# Altium PCB PCB_Amplifier.PcbDoc (part 1 of 4)
Units mm, origin at the board's own origin, x right, y up, seen from the top; angles counter-clockwise.
Board outline 86.5 x 99 mm, 4 copper layers (Top Layer, GND, VDD, Bottom Layer); 211 components, 150 nets, 661 pads, 341 vias.
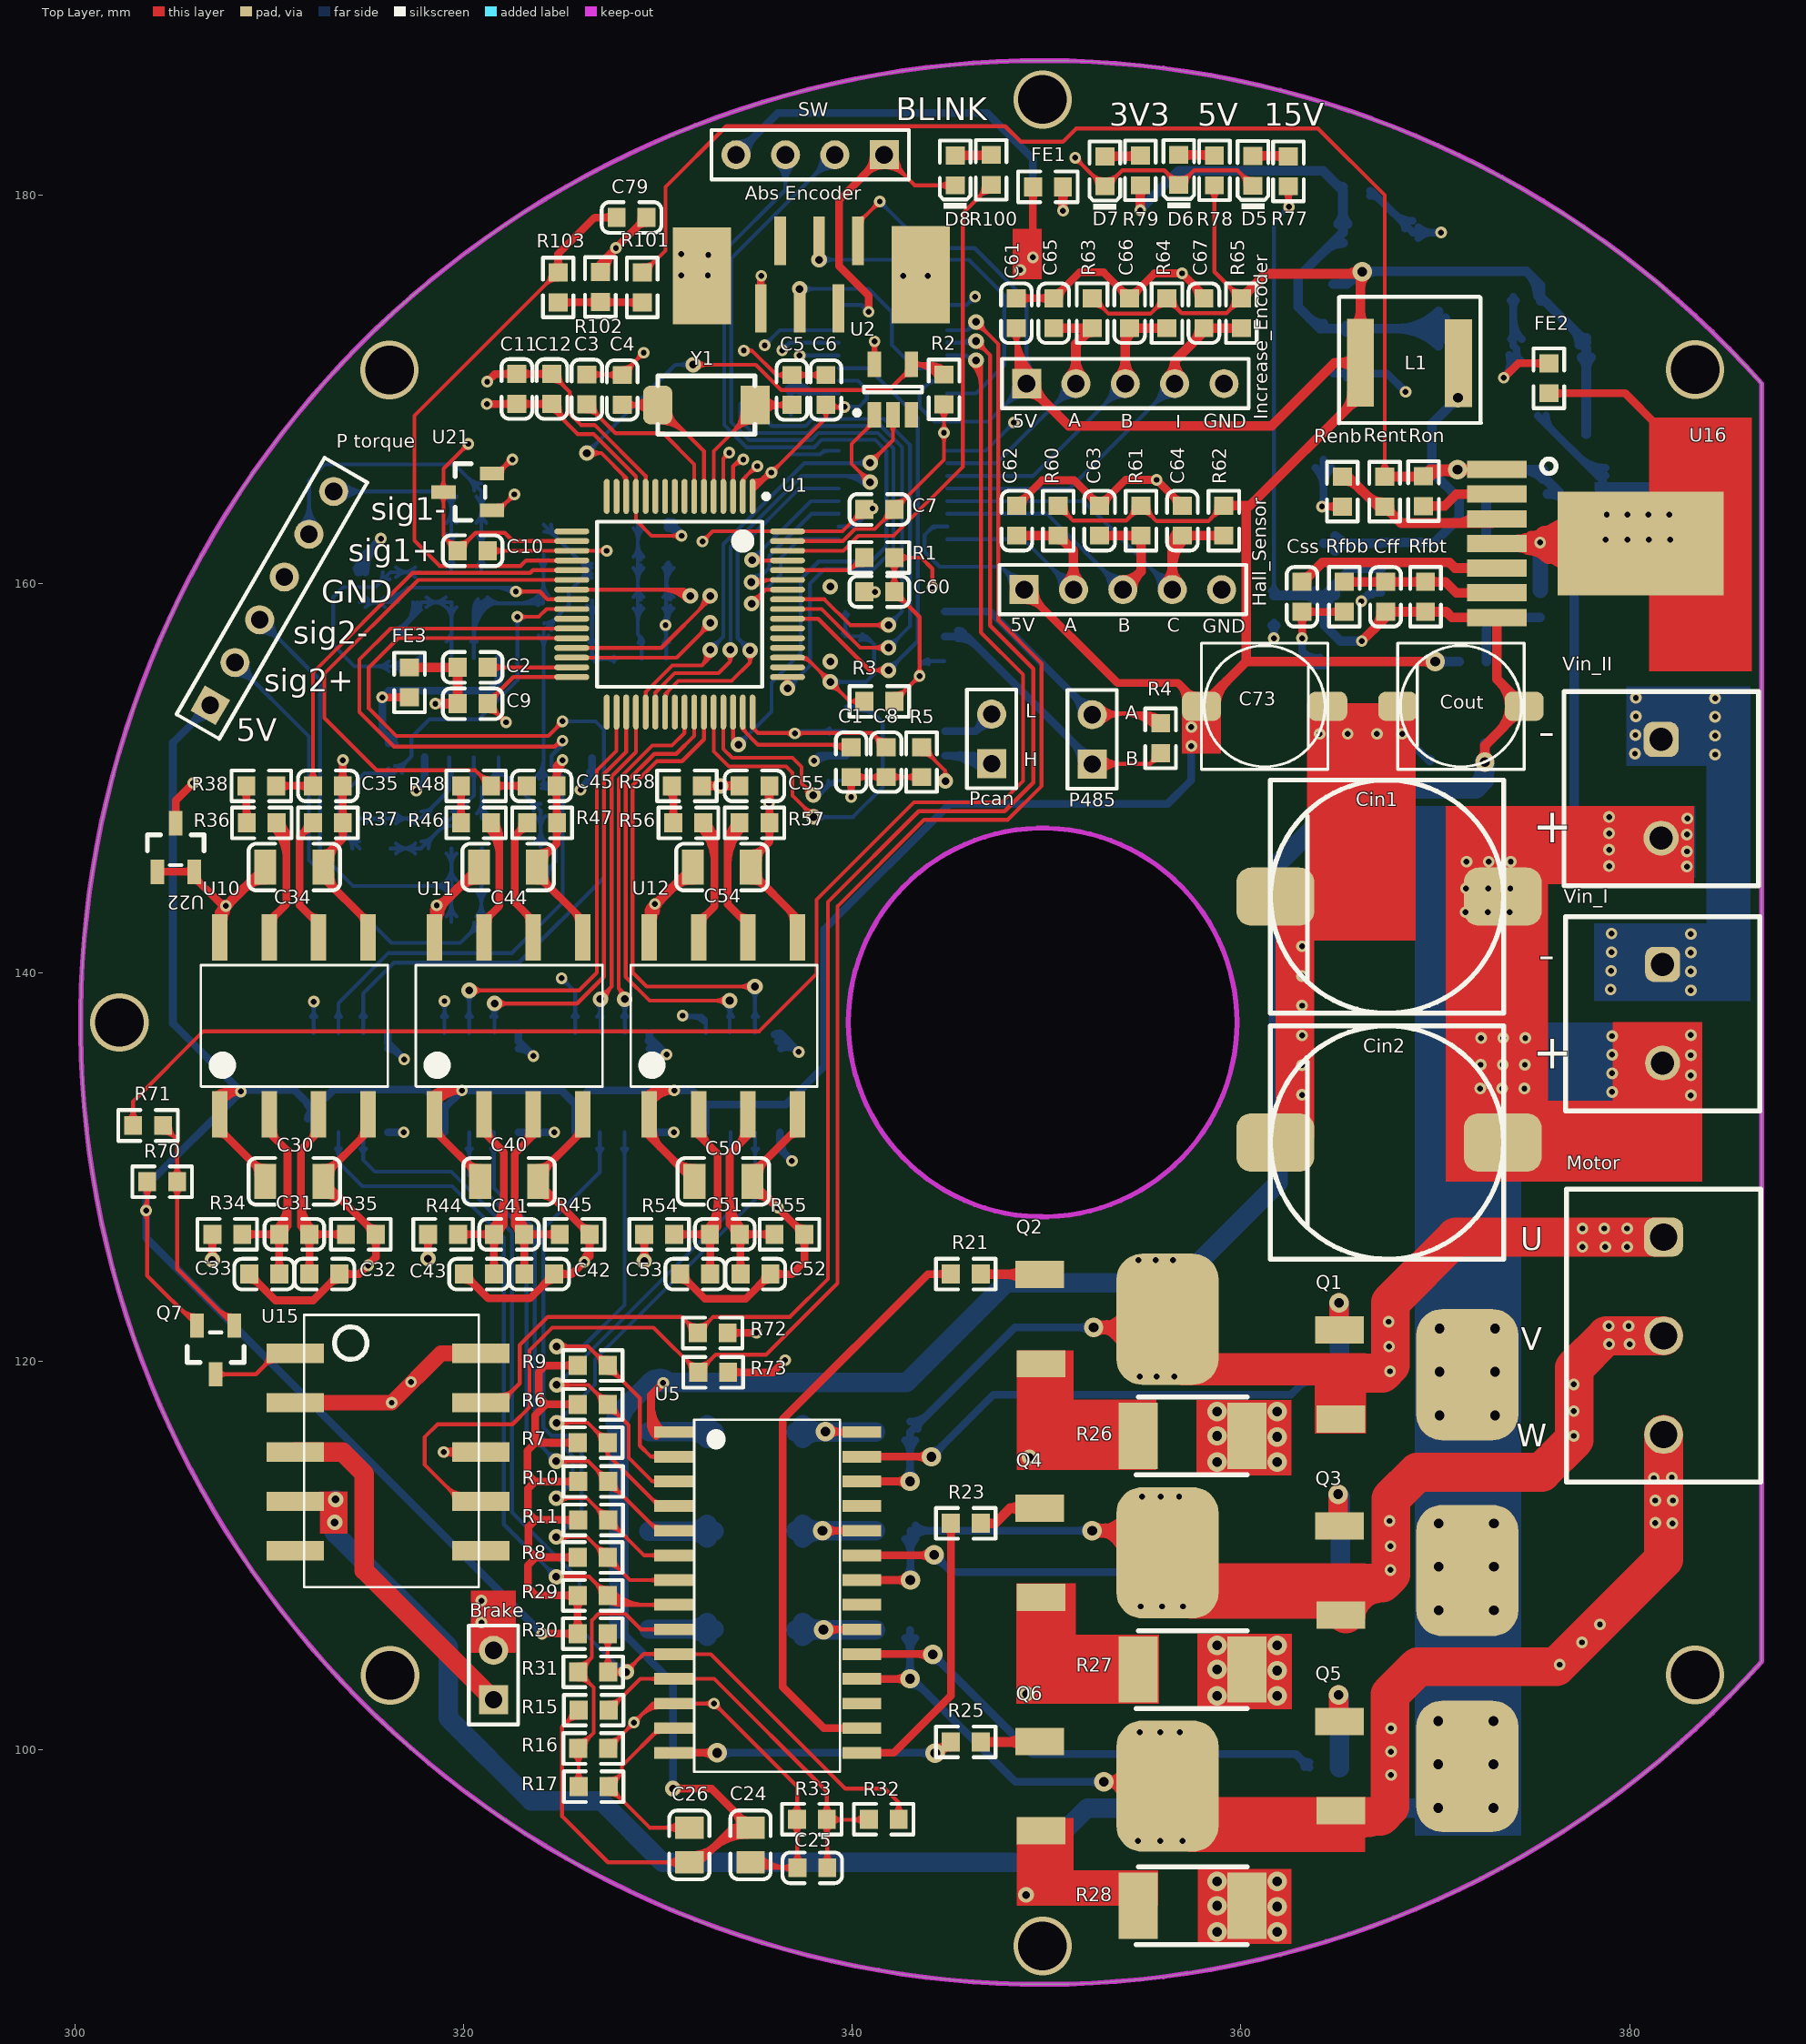
[diagram p0: Top Layer view]
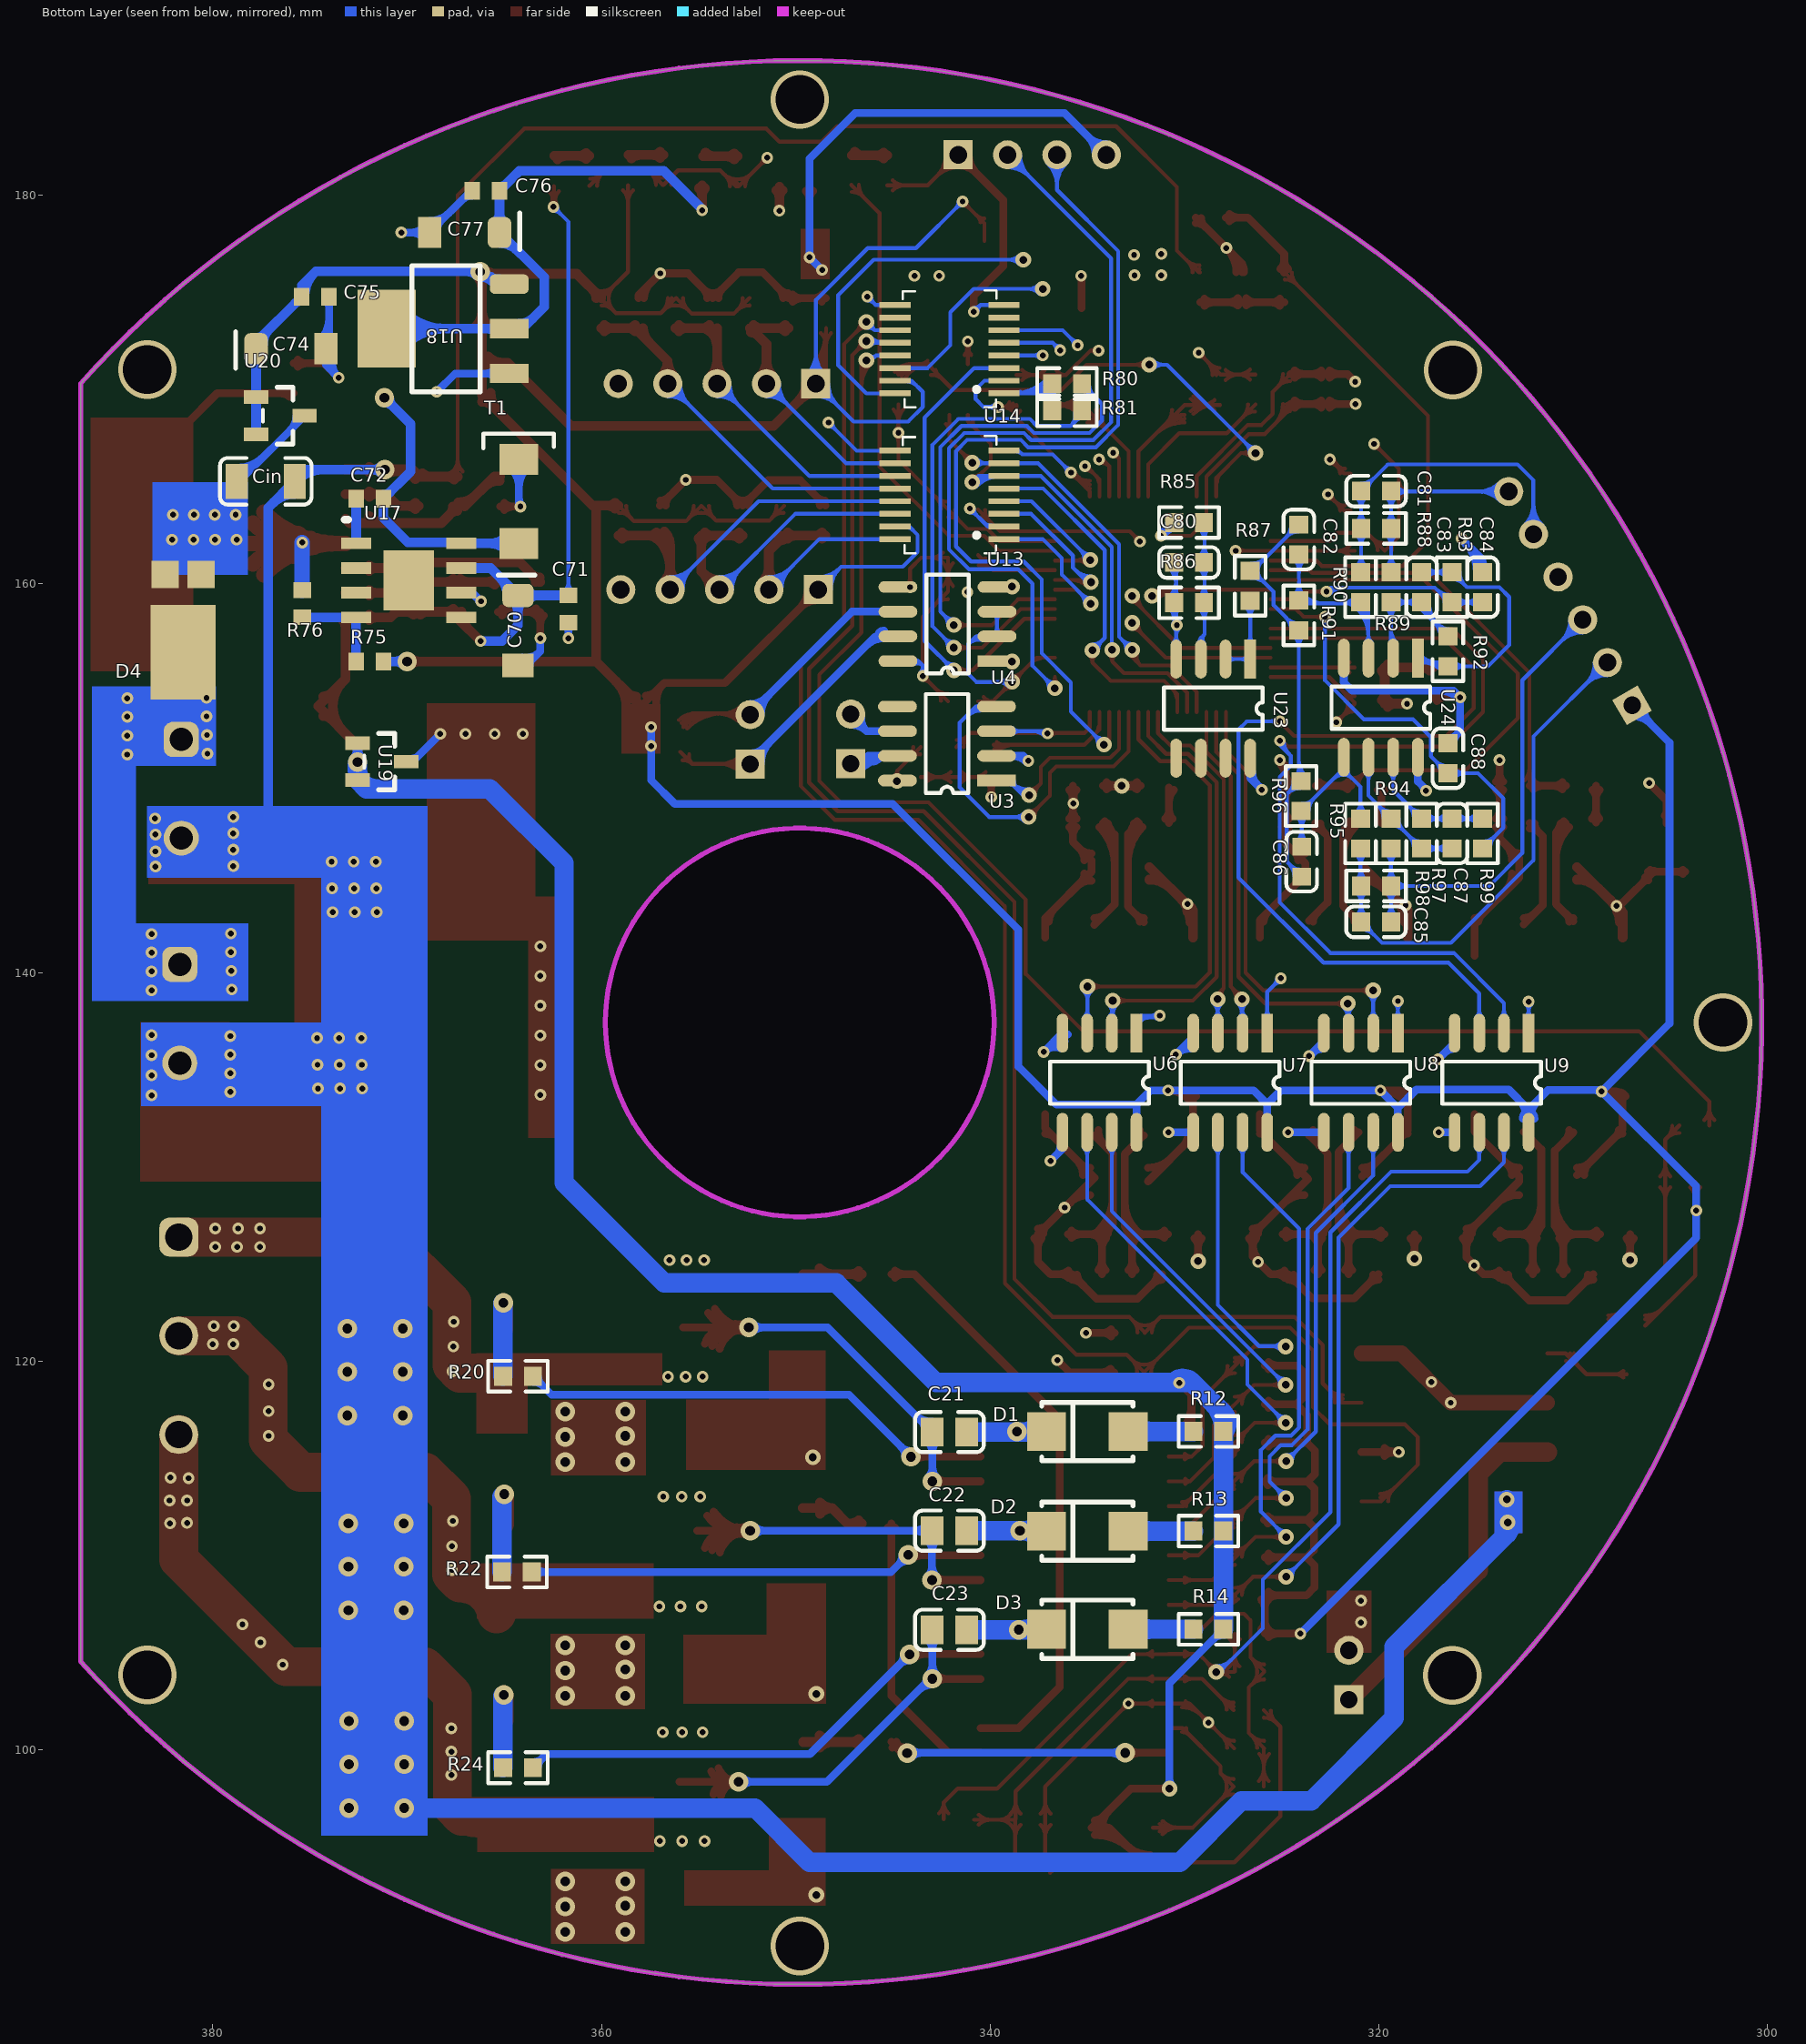
[diagram p1: Bottom Layer view, seen from below]
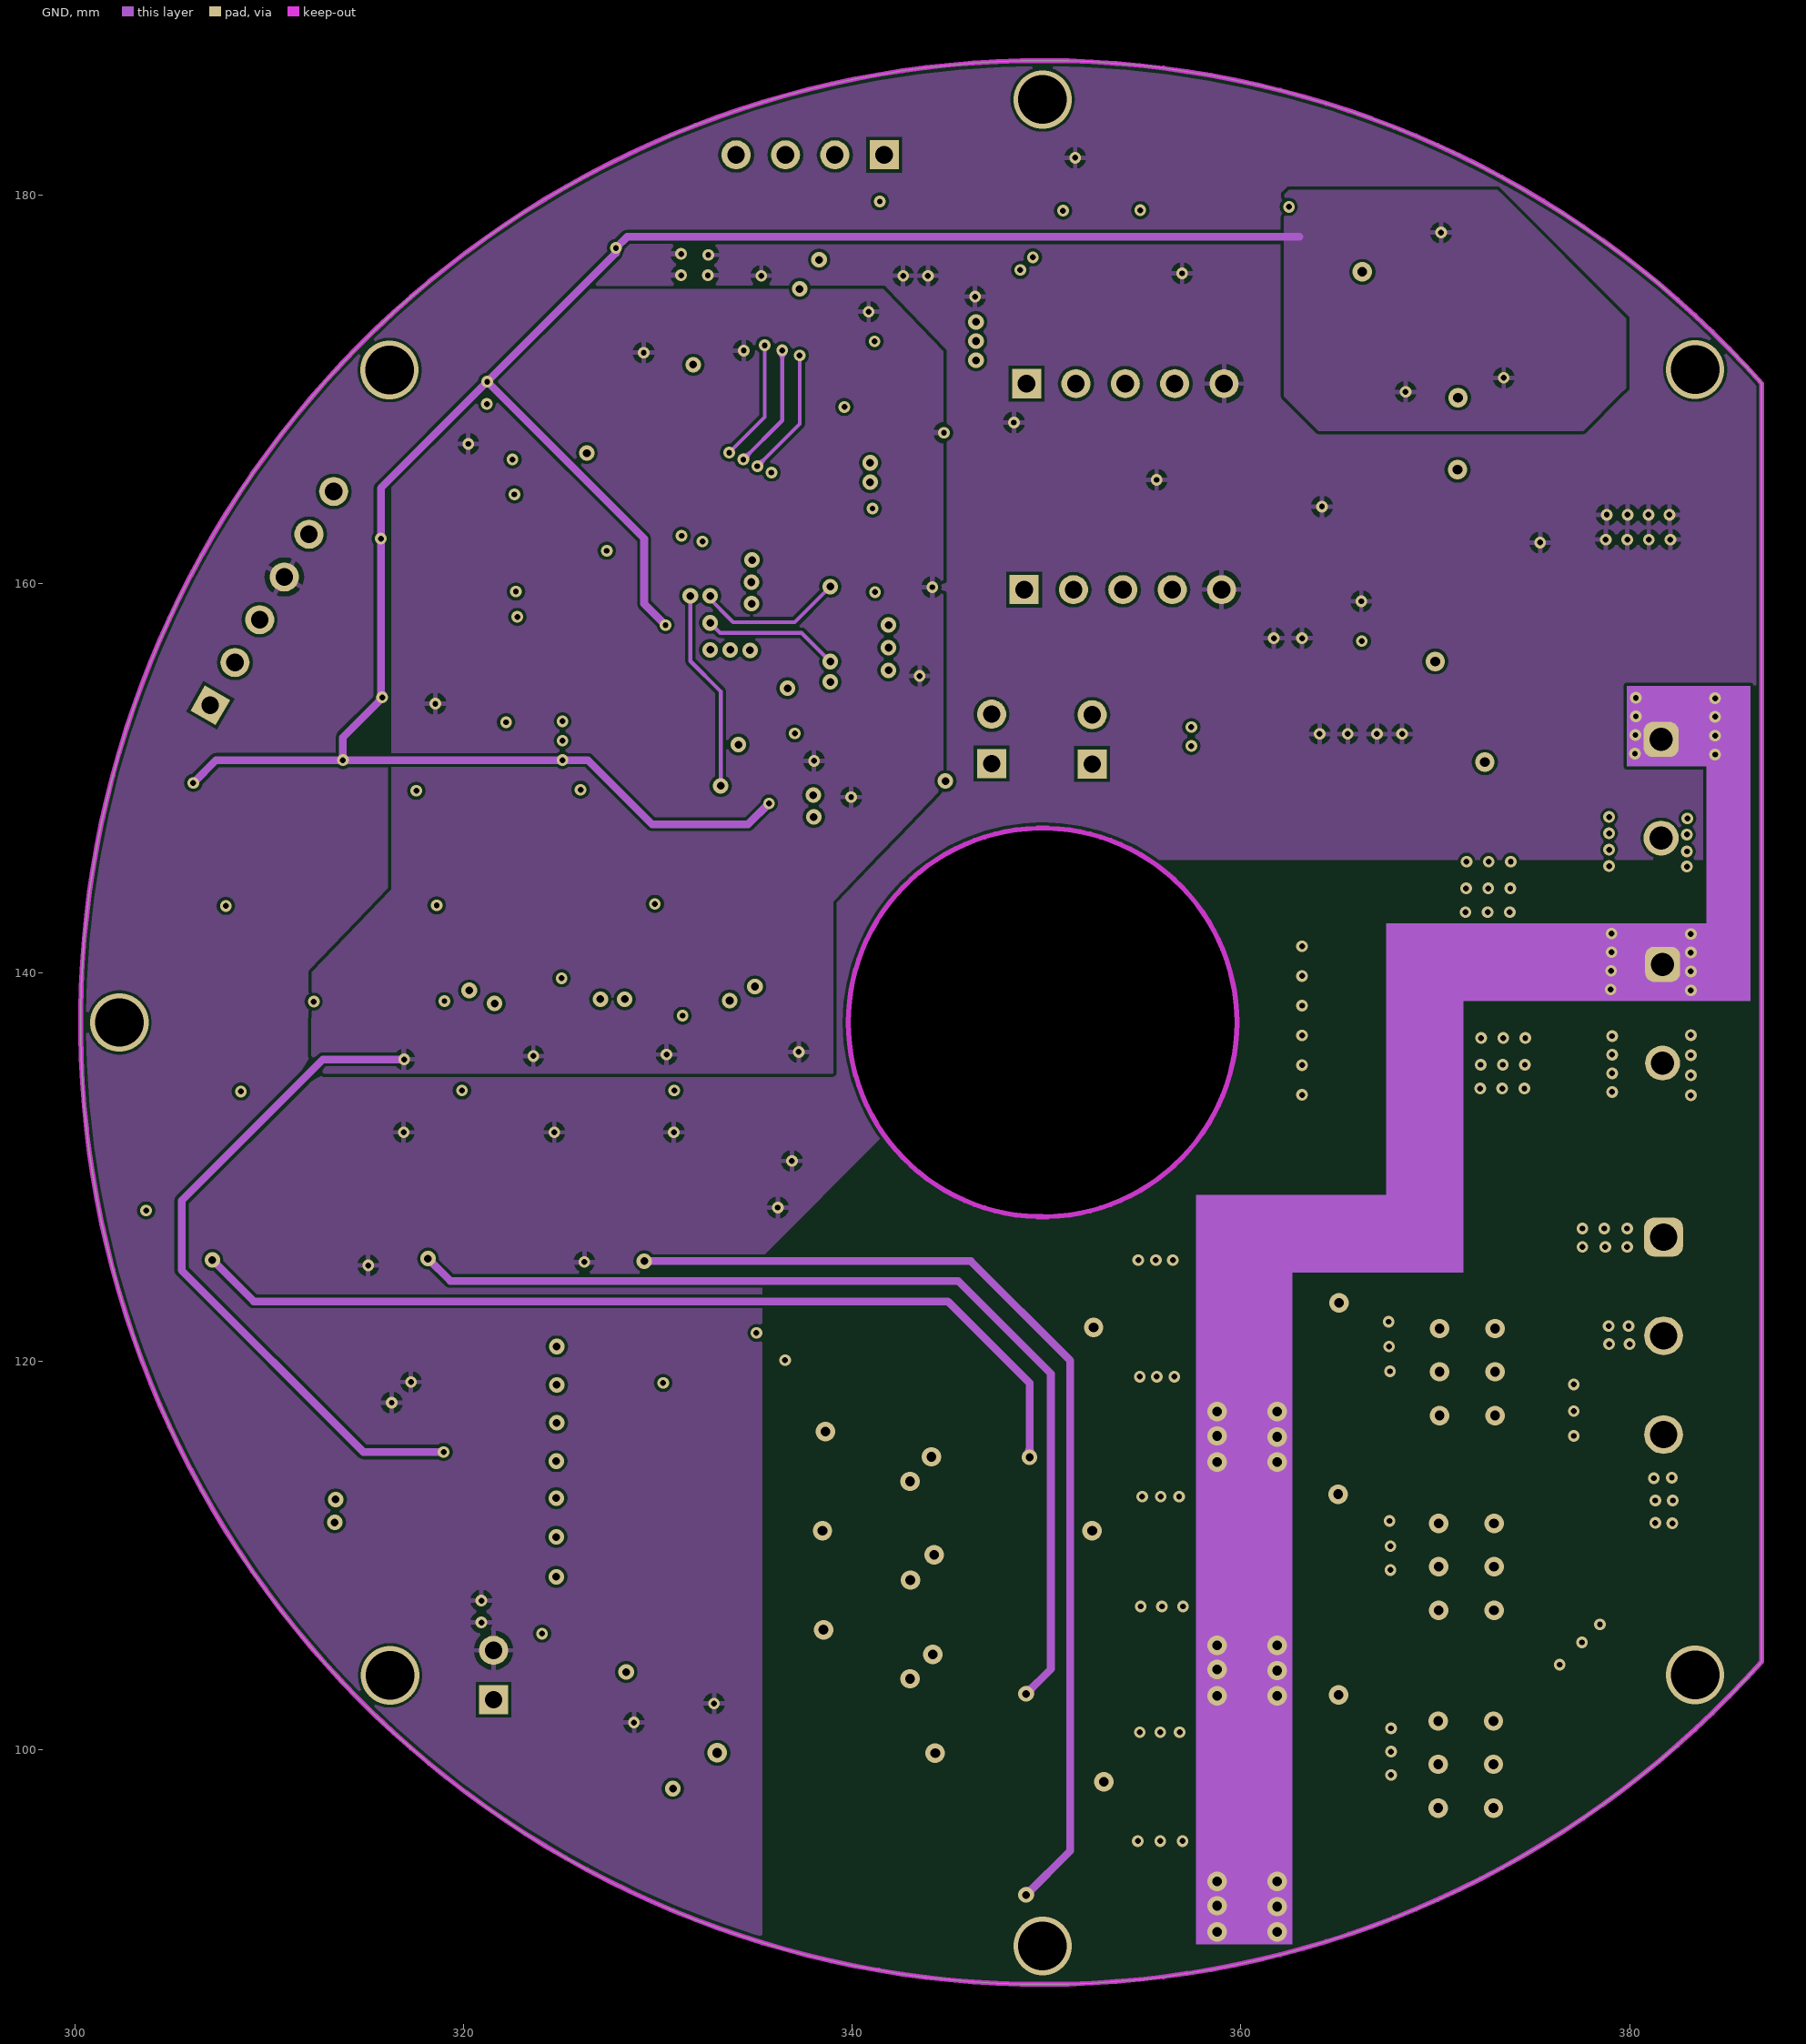
[diagram p2: GND]